# Allegro board F429_PACK_V10A.brd (continued)
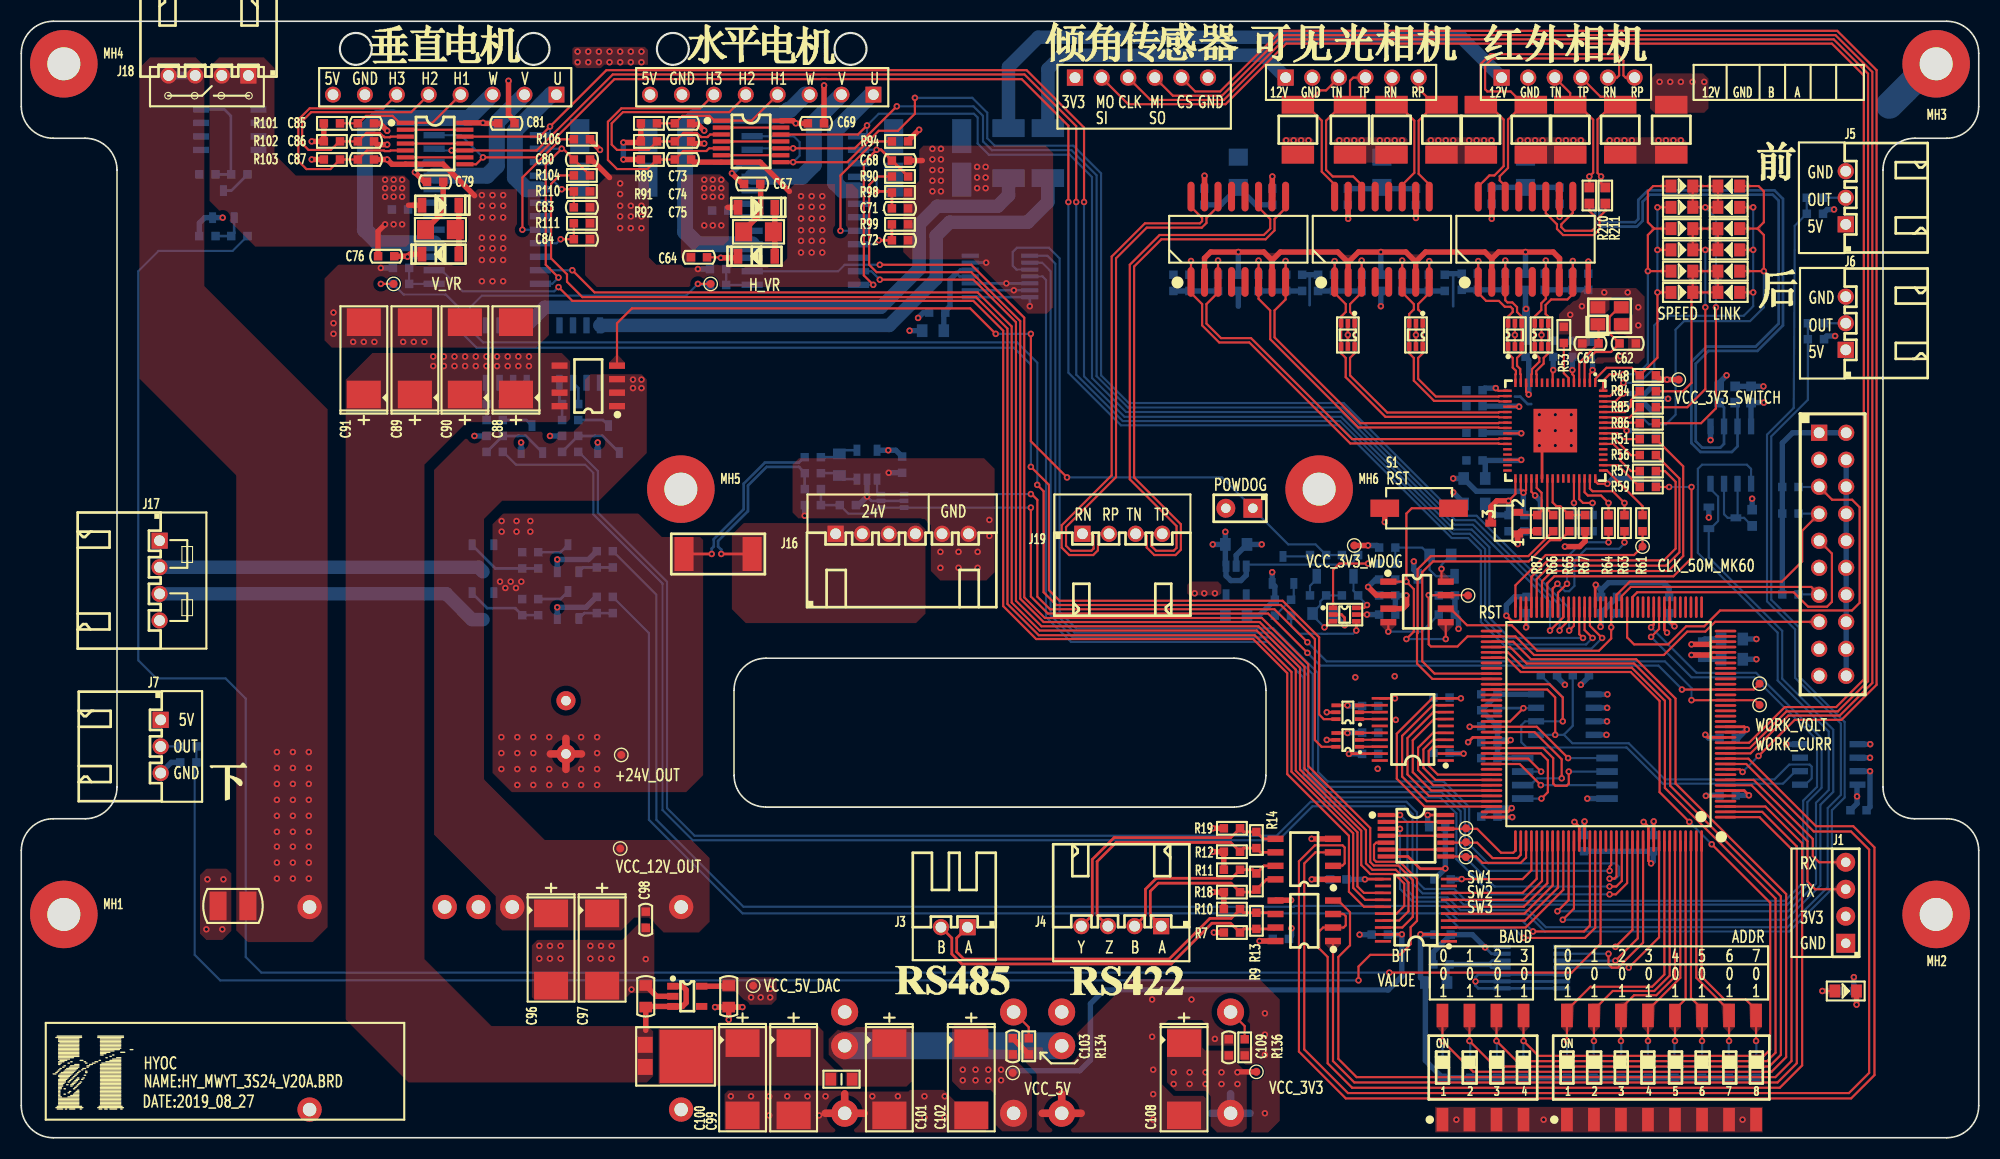
[diagram p0: board, top side]
## Routing (per net, layer and track width the routed paths; a pad name or vN(x,y) marks a point on that pad's centre or on a via; arc(x,y) is an arc through that point) (continued)
VCC_3.3V_SWITCH: length 29.3
  TOP w0.203: U15.62 149.85,69.25 v1(150.6,70) ; v1(139.8,59.9) 140.45,60.55 U15.33 ; U15.48 147.95,61.75 148.2,61.5 v1(149.1,61.5)
  TOP w0.508: v1(139.8,59.9) 138.7,59.9 138.13,59.33 U47.3 ; v1(145.1,55.6) 146.49,55.6 147,56.11 R67.2 ; TP16.1 v1(154.7,71.3) 154.06,71.3 R48.1
  BOTTOM w0.508: v1(150.6,70) 151.64,70 C49.2 ; C47.2 149.6,62 v1(149.1,61.5) ; L7.2 137.62,59.58 138.64,58.56 C48.2 v1(139.8,59.9) ; C49.2 153.64,68 R49.2 ; C49.2 152.16,69.5 R54.2 153.96,71.3 v1(154.7,71.3)
VCC_3.3V_WDOG: length 6.1
  TOP w0.254: U13.5 v1(126.5,49.2)
  TOP w0.508: TP14.1 v1(126.6,55.7)
  BOTTOM w0.508: D1.2 131.27,53.03 130.9,53.4 v1(130.9,54.2) ; v1(126.6,55.7) 127.44,55.7 R27.1 ; C26.1 v1(126.5,49.2)
  vias: v1(110.3,51.2) v1(111.2,51.2) v1(112.2,51.2)
VCC_5V: length 96.1
  TOP w0.254: U3.19 124.83,36.12 v1(124.8,36.1) ; U1.19 v1(129.78,19.12)
  TOP w0.508: R94.1 83.36,93.76 v1(84.4,94.8) ; R89.1 R91.1 58.14,93.6 v1(56.6,93.6) ; v1(54.4,92.9) 53.46,93.84 R106.1 ; R103.1 v1(27.3,92) ; v1(27.3,93.7) R102.1 R101.1 ; R92.1 v1(56.6,92)
  L03-VCC w0.711: 59.1,96.79 J14.8 ; J14.8 57.79,98.1 ; J14.8 60.41,98.1 ; J14.8 59.1,99.41 ; J5.1 172.82,85.9 ; J5.1 170.18,85.9 ; J5.1 171.5,84.58 ; J7.1 14.42,39.3 ; J7.1 11.78,39.3 ; J7.1 13.1,40.62 ; 170.18,74.1 J6.1 ; J6.1 172.82,74.1 ; J6.1 171.5,72.78 ; U26.5 95.1,2.3 ; U26.5 91.45,2.3 ; U26.5 93.28,4.13 ; 29.3,96.79 J15.8 ; J15.8 27.99,98.1 ; J15.8 30.61,98.1 ; J15.8 29.3,99.41
  BOTTOM w0.508: 93,6.3 99.5,6.3 100.5,7.3 100.5,12.6 101.8,13.9 128.5,13.9 129.78,15.18 v1(129.78,19.12) 129.75,19.1 C4.2 ; v1(56.6,92) v1(56.6,93.6) ; C2.2 v1(124.8,36.1)
  vias: v1(88.5,6.4) v1(88.5,5.4) v1(89.7,6.4) v1(89.7,5.4) v1(90.9,6.4) v1(90.9,5.4) v1(92.1,6.4) v1(92.1,5.4)
VCC_5V_DAC: length 7.4
  TOP w0.254: U5.4 v1(124.67,40.66) ; U4.4 v1(124.67,38.06)
  TOP w0.508: 66.41,14.25 U28.5
  BOTTOM w0.508: v1(124.67,38.06) 124.7,38.1 C6.2 ; C5.2 124.73,40.6 v1(124.67,40.66)
  vias: v1(68.6,13.2) v1(69.5,13.2) v1(70.4,14) v1(70.4,13.2)
VCC_12V_FARIR: length 54.8
  BOTTOM w1.27: J12.1 135.35,103.5 95.6,103.5 92.8,100.7 F2.2
VCC_12V_IN: length 19.5
  BOTTOM w0.203: R25.1 125.66,54.66 124.9,53.9 115.3,53.9 U27.3
  BOTTOM w0.508: C104.1 v1(113.18,56.98) ; C104.1 113.18,53.82 U27.1 113.25,52.85 113.7,52.4 114.64,52.4 115.15,52.91 U27.3 ; C104.1 v1(112,55.8)
  vias: v1(57.5,71.3) v1(57.5,70.5) v1(58.3,71.3) v1(58.3,70.5)
VCC_12V_OUT: length 13.1
  TOP w0.508: 58.7,10.1 C106.1 58.77,12.35 U28.3 62.15,12.35 62.5,12.7 62.5,13.9 62.15,14.25 U28.1
  BOTTOM w0.254: Q3.3 52.36,70.5 R112.2 ; Q4.3 45.26,70.7 R113.2
  vias: v1(38.72,73.47) v1(38.72,72.57) v1(39.72,73.47) v1(39.72,72.57) v1(40.72,73.47) v1(40.72,72.57) v1(41.72,73.47) v1(41.72,72.57) v1(42.72,73.47) v1(42.72,72.57) v1(43.72,73.47) v1(43.72,72.57) v1(44.72,73.47) v1(44.72,72.57) v1(45.72,73.47) v1(45.72,72.57) v1(46.72,73.47) v1(46.72,72.57) v1(47.72,73.47) v1(47.72,72.57)
VCC_12V_PHOTO: length 29.3
  BOTTOM w1.27: F1.2 96.5,100.5 97.8,101.8 116.75,101.8 J13.1
VCC_24V: length 18.5
  TOP w0.254: R118.2 v1(65.8,54.9)
  BOTTOM w0.254: R119.2 R114.2 73.64,62.56 73.11,63.09 70.07,63.09 68.31,61.33 68.31,58.93 65.5,56.13 65.5,55.6 65.8,55.3 v1(65.8,54.9)
VCC_24V_MOTOR: length 5.5
  TOP w0.508: 36.4,87.7 D18.1 ; v1(34.2,85.9) 33.54,85.24 C76.2 ; D16.1 66.4,87.5
  vias: v1(34.2,90.1) v1(34.2,89.3) v1(34.2,88.5) v1(35,90.1) v1(35,89.3) v1(35,88.5) v1(35,85.9) v1(35.8,90.1) v1(35.8,89.3) v1(35.8,88.5) v1(35.8,85.9) v1(64.2,90.1) v1(64.2,89.3) v1(64.2,88.5) v1(64.2,85.8) v1(65,90.1) v1(65,89.3) v1(65,88.5) v1(65,85.8) v1(65.8,90.1) v1(65.8,89.3) v1(65.8,88.5) v1(65.8,85.8)
VDDA3V3: length 7.9
  TOP w0.254: U2.32 158.95,45.65 158.7,45.4 158.95,45.15 U2.31
  TOP w0.508: 158.7,45.4 v1(157,45.4)
  BOTTOM w0.508: v1(157,45.4) 157.74,45.4 C18.1 158.14,45 L1.2
VSSA: length 8
  TOP w0.254: U2.33 158.85,46.15 158.6,46.4 158.85,46.65 U2.34
  TOP w0.508: 158.6,46.4 v1(157,46.4)
  BOTTOM w0.508: v1(157,46.4) 157.74,46.4 C18.2 158.24,46.9 L2.2
ADDR0: length 27.9
  TOP w0.203: v1(145.29,9.1) SW1.16 145.29,11.99 147.5,14.2 153.3,14.2 154.45,15.35 U2.137
  BOTTOM w0.203: v1(145.29,9.1) 145.3,9.09 R40.2
ADDR1: length 26
  TOP w0.203: v1(147.83,9.1) SW1.15 147.83,12.03 149.6,13.8 153.5,13.8 154.95,15.25 U2.138
  BOTTOM w0.203: v1(147.83,9.1) 147.8,9.07 R41.2
ADDR2: length 24.1
  TOP w0.203: U2.139 155.45,15.15 153.7,13.4 151.6,13.4 150.37,12.17 SW1.14 v1(150.37,9.1)
  BOTTOM w0.203: v1(150.37,9.1) 150.4,9.07 R36.2
ADDR3: length 22
  TOP w0.203: v1(152.91,9.1) SW1.13 152.91,12 155.95,15.04 U2.140
  BOTTOM w0.203: v1(152.91,9.1) 152.9,9.09 R37.2
ADDR4: length 21.2
  TOP w0.203: U2.141 156.45,13.05 155.45,12.05 SW1.12 v1(155.45,9.1)
  BOTTOM w0.203: v1(155.45,9.1) 155.4,9.05 R42.2
ADDR5: length 21.2
  TOP w0.203: v1(157.99,9.1) SW1.11 157.99,12.11 156.95,13.15 U2.142
  BOTTOM w0.203: R43.2 158,9.09 v1(157.99,9.1)
ADDR6: length 22
  TOP w0.203: v1(160.53,9.1) SW1.10 160.53,11.97 157.45,15.05 U2.143
  BOTTOM w0.203: v1(160.53,9.1) 160.5,9.07 R44.2
ADDR7: length 24
  TOP w0.203: v1(163.07,9.1) SW1.9 163.07,12.03 162.1,13 160.1,13 157.95,15.15 U2.144
  BOTTOM w0.203: R45.2 163.1,9.07 v1(163.07,9.1)
ANGE_CLK: length 147.2
  TOP w0.203: J9.3 106.15,97.6 113.04,97.6 118.73,103.3 170.37,103.3 173.6,100.07 173.6,42.93 170.77,40.1 165.93,40.1 162.48,36.65 U2.14
ANGE_CSN: length 145.3
  TOP w0.203: v1(161.8,34.4) 161.55,34.65 U2.10 ; J9.5 110.35,98.4 112.7,98.4 118.4,104.1 170.7,104.1 174.4,100.4 174.4,42.6 171.1,39.3 166.7,39.3 v1(163.3,35.9)
  BOTTOM w0.203: v1(163.3,35.9) v1(161.8,34.4)
ANGE_MISO: length 145.9
  TOP w0.203: J9.4 108.25,98 112.87,98 118.57,103.7 170.53,103.7 174,100.23 174,42.77 170.93,39.7 166.1,39.7 162.55,36.15 U2.13
ANGE_MOSI: length 148.5
  TOP w0.203: J9.2 104.05,97.2 113.2,97.2 118.9,102.9 170.2,102.9 173.2,99.9 173.2,43.1 170.6,40.5 165.77,40.5 162.42,37.15 U2.15
BAUD0: length 96
  TOP w0.203: SW2.8 v1(133.59,9.1) 136.49,6.2 164.51,6.2 165.9,7.59 165.9,22.91 155.5,33.31 155.5,41.3 151.8,45 141.9,45 140.25,46.65 U2.75
  BOTTOM w0.203: v1(133.59,9.1) 133.6,9.09 R38.2
BAUD1: length 91.6
  TOP w0.203: U2.76 139.95,46.15 141.5,44.6 151.6,44.6 155,41.2 155,33.11 165.4,22.71 165.4,7.79 164.31,6.7 138.53,6.7 v1(136.13,9.1) SW2.7
  BOTTOM w0.203: R39.2 136.2,9.03 v1(136.13,9.1)
BAUD2: length 87.3
  TOP w0.203: SW2.6 v1(138.67,9.1) 140.57,7.2 164.1,7.2 164.9,8 164.9,22.5 154.5,32.9 154.5,41.1 151.4,44.2 141.2,44.2 139.75,45.65 U2.77
  BOTTOM w0.203: v1(138.67,9.1) 138.7,9.07 R46.2
BAUD3: length 82.9
  TOP w0.203: v1(158.9,27.6) 164.4,22.1 164.4,8.3 163.8,7.7 142.61,7.7 v1(141.21,9.1) SW2.5 ; v1(156.8,29.7) 154,32.5 154,41.08 151.28,43.8 140.95,43.8 139.6,45.15 U2.78
  BOTTOM w0.203: v1(141.21,9.1) 141.2,9.09 R47.2 ; v1(156.8,29.7) v1(158.9,27.6)
C0_LED: length 43.1
  TOP w0.203: D13.1 v1(163.8,81.5) 163.8,84.9 163.2,85.5 ; U15.61 150.35,68.75 v1(150.6,69) ; 163.2,85.5 163.8,86.1 163.8,89 163.3,89.5 D9.1 ; 163.2,85.5 D11.1
  BOTTOM w0.203: v1(163.8,81.5) 163.8,78.1 162.5,76.8 156.3,76.8 155.5,76 155.5,68 154.6,67.1 153,67.1 152.14,67.96 R49.1 151.14,69 v1(150.6,69)
C1_LED: length 33.1
  TOP w0.203: D10.1 v1(162.8,87.5) ; v1(150.6,71) 149.35,69.75 U15.63 ; v1(162.8,83.5) D12.1 ; D14.1 v1(162.8,79.5)
  BOTTOM w0.203: v1(150.6,71) R54.1 152.14,71.04 153.5,72.4 153.5,76.4 154.4,77.3 161.9,77.3 162.8,78.2 v1(162.8,79.5) v1(162.8,83.5) v1(162.8,87.5)
C2_LED: length 28.7
  TOP w0.203: 153.5,85.5 152.9,84.9 v1(152.9,81.5) D7.1 ; 153.5,85.5 152.9,86.1 152.9,89 153.4,89.5 D3.1 ; 153.5,85.5 D5.1 ; U15.64 148.7,71.2 149.3,71.8 v1(150.6,71.8)
  BOTTOM w0.203: v1(152.9,81.5) 152.9,72.8 151.9,71.8 v1(150.6,71.8)
C3_LED: length 25.6
  TOP w0.203: v1(153.8,83.5) D6.1 ; U15.1 147.95,71.35 149.01,72.41 151.39,72.41 152.1,71.7 R48.2 153.8,73.36 v1(153.8,79.5) D8.1 ; D4.1 v1(153.8,87.5)
  BOTTOM w0.203: v1(153.8,79.5) v1(153.8,83.5) v1(153.8,87.5)
CAMERA_A: length 57.7
  BOTTOM w0.254: R206.1 160.06,68.68 U45.6 160.06,65.26 159.7,64.9 158,64.9 157.4,65.5 157.4,72.8 158.6,74 163.2,74 165.6,76.4 165.6,88.3 164.8,89.1 152.9,89.1 152,88.2 152,86.4 151.7,86.1 148.6,86.1 148.35,86.35 148.35,87.3 R209.1
CAMERA_B: length 59.9
  BOTTOM w0.254: R204.2 161.33,68.91 U45.7 161.33,65.03 160.79,64.49 157.83,64.49 156.99,65.33 156.99,72.97 158.43,74.41 163.03,74.41 165.19,76.57 165.19,88.13 164.63,88.69 153.07,88.69 152.41,88.03 152.41,86.23 151.87,85.69 148.43,85.69 147.94,86.19 147.94,87.31 R208.1
CLK_50M: length 16.9
  TOP w0.203: U2.72 140.45,51.95 143.3,54.8 151.6,54.8 TP5.1 R61.2
CTL_HEATER_1: length 127.3
  TOP w0.203: v1(142.1,19.4) 146.9,19.4 147.45,19.95 U2.123
  BOTTOM w0.203: v1(142.1,19.4) 141.1,20.4 135.1,20.4 133.7,21.8 119.69,21.8 119.61,21.73 67.87,21.73 59.7,29.9 59.7,51.06 R129.2
CTL_HEATER_2: length 124.5
  TOP w0.203: v1(141.2,18.8) 141.84,18.8 141.85,18.79 146.99,18.79 147.95,19.75 U2.124
  BOTTOM w0.203: v1(141.2,18.8) 140.3,19.7 135.2,19.7 133.8,21.1 67.8,21.1 59,29.9 59,47.46 R130.2
CTL_RELAY: length 222.9
  TOP w0.203: v1(128.6,15.53) 145.73,15.53 148.45,18.25 U2.125
  BOTTOM w0.203: R141.1 19.86,83.4 12.9,83.4 11,81.5 11,44.9 12.7,43.2 19.2,43.2 21.1,41.3 21.1,17 22.57,15.53 v1(128.6,15.53)
DAC_H_DIN: length 12.8
  TOP w0.203: 133.9,38.08 132.7,38.08 131.3,36.67 131.3,34.59 132.74,33.15 U2.102
DAC_H_SCLK: length 11.1
  TOP w0.203: U2.101 132.94,33.65 131.8,34.79 131.8,36.52 132.7,37.42 U3.4
DAC_H_SYNC: length 9.4
  TOP w0.203: U2.100 133.15,34.15 132.3,35 132.3,36.38 132.7,36.77 U3.3
DAC_MOTOR_OE: length 22.7
  TOP w0.203: U2.106 131.91,31.15 129.3,33.76 129.3,38 132.62,41.33 U3.10
  TOP w0.254: v1(135.32,41.33) U3.10
  BOTTOM w0.203: v1(135.32,41.33) 134.34,41.33 R2.1
DAC_V_DIN: length 18.5
  TOP w0.203: U3.9 132.68,40.67 129.8,37.79 129.8,33.96 132.11,31.65 U2.105
DAC_V_SCLK: length 16.8
  TOP w0.203: U2.104 132.32,32.15 130.3,34.17 130.3,37.59 132.74,40.02 U3.8
DAC_V_SYNC: length 15
  TOP w0.203: U3.7 132.8,39.38 130.8,37.38 130.8,34.38 132.53,32.65 U2.103
E6071_AVDD_1.8V: length 26.1
  TOP w0.203: v1(145.8,72.2) 145.8,71.8 145.95,71.65 U15.5 ; U15.14 141.45,70.15 v1(141.7,69.9) ; v1(144,72.2) 143.95,72.15 U15.9 ; U15.20 v1(140.8,68.75) ; U15.25 v1(141,66.25) ; U15.30 v1(141,63.75)
  BOTTOM w0.508: v1(141,66.25) 140.95,66.3 C56.2 ; v1(141.7,69.9) 141.7,73.14 C55.2 ; v1(141,63.75) 140.95,63.7 C57.2 137.62,63.45 L3.2 ; v1(140.8,68.75) 140.75,68.8 C59.2 ; C60.2 v1(144,72.2) ; v1(145.8,72.2) C58.2
E6071_CT_1.8V: length 67.5
  TOP w0.203: U15.34 140.95,60.91 v1(141.2,60.66) 141.45,60.91 U15.35
  TOP w0.508: 138.22,82.66 137.58,83.3 132,83.3 131.07,82.38 ; 138.22,82.66 T1.2 ; 138.22,82.66 138.87,83.3 v1(141.4,83.3) 144,83.3 144.6,82.7 144.6,80.51 T1.7 ; 111.22,80.49 111.22,82.72 111.8,83.3 v1(114.4,83.3) 116.8,83.3 117.58,82.53 ; 124.72,82.33 125.7,83.3 v1(127.8,83.3) 130.15,83.3 131.07,82.38 ; 124.72,82.33 123.75,83.3 118.35,83.3 117.58,82.53 ; 124.72,82.33 124.72,80.49 ; T2.7 131.07,82.38 ; 117.58,82.53 T3.7
  BOTTOM w0.508: C34.2 v1(141.4,83.3) ; v1(134.6,62) L3.1 136.78,60.8 141.06,60.8 v1(141.2,60.66) 141.2,58.66 C54.2 ; C44.2 v1(114.4,83.3) ; C40.2 v1(127.8,83.3)
E6071_VDD_CORE_1.2V: length 12.5
  TOP w0.203: U15.17 138.85,70.25 v1(138.6,70.5) ; v1(150.9,66.5) 150.65,66.75 U15.57 ; v1(142.3,60.4) 141.95,60.75 U15.36 ; v1(147.7,72.2) 147.7,72.1 147.45,71.85 U15.2
  BOTTOM w0.508: v1(142.3,60.4) 142.8,59.9 C53.2 ; C51.2 137.56,70.5 v1(138.6,70.5) ; v1(147.7,72.2) 147.7,73.14 C50.2 ; v1(150.9,66.5) 151.84,66.5 C52.2
FARIR_RXN: length 32.4
  TOP w0.203: T1.14 139.5,89.5 138.97,90.03 138.97,90.43 139.75,91.2 139.75,95.75 141.15,97.15 141.25,97.15 ; J12.5 149.99,99.7 150.2,99.9 150.2,101.13 149.83,101.5 138.27,101.5 137.6,100.83 137.6,98.6 137.8,98.4 140,98.4 141.25,97.15 ; 141.25,97.15 GDT1.1
FARIR_RXP: length 31.6
  TOP w0.203: T1.16 136.96,89.45 138,90.5 138.47,90.5 139.35,91.37 139.35,95.75 137.95,97.15 GDT2.1 137.19,97.16 137.19,100.99 138.11,101.91 149.99,101.91 150.6,101.3 150.6,99.9 150.81,99.7 J12.6
FARIR_TXN: length 13.4
  TOP w0.203: J12.3 145.6,98.25 GDT4.2 146.35,97.15 147.76,95.74 147.76,90.76 v1(147.4,90.4) R210.2
  BOTTOM w0.254: R210.2 v1(147.4,90.4)
FARIR_TXP: length 14.5
  TOP w0.203: 149.55,97.15 148.17,95.77 148.17,90.73 v1(148.5,90.4) 148.5,89.78 R211.2 ; 149.55,97.15 GDT3.2 ; 149.55,97.15 148.8,97.9 148.45,97.9 J12.4
  BOTTOM w0.254: v1(148.5,90.4) 148.5,89.78 R211.2
FARIRPOW_CON: length 198.9
  TOP w0.203: U2.46 153.45,48.25 v1(153.2,48)
  BOTTOM w0.203: v1(153.2,48) 157.48,43.72 163.08,43.72 169.22,37.58 169.22,32.9 167.9,31.58 167.9,23.8 166.03,21.93 135.57,21.93 134.52,22.98 131.72,22.98 130.78,23.92 130.78,30.42 130.02,31.18 121.38,31.18 118.18,27.98 63.12,27.98 60.28,30.82 60.28,52.12 53.78,58.62 53.78,62.52 53,63.3 46.5,63.3 45.3,64.5 R121.2
H_BRK: length 115.9
  TOP w0.203: v1(80.7,82.1) 89.3,82.1 94.28,77.12 94.28,50.82 96.22,48.88 116.62,48.88 120.98,44.52 120.98,34.95 126.8,29.13 126.8,25.93 127.13,25.6 129.43,25.6 130.8,24.23 130.8,20.76 129.81,19.77 U1.18
  BOTTOM w0.203: U19.14 76.78,81.48 77.4,82.1 v1(80.7,82.1)
H_DIAG: length 20.7
  TOP w0.203: v1(80.4,92.92) 79.2,91.72 79.2,81.1 v1(80.08,80.22)
  TOP w0.254: R90.2 81.86,91.9 C68.1 80.82,92.92 v1(80.4,92.92)
  BOTTOM w0.203: U19.2 v1(80.4,92.92) ; U19.12 v1(80.08,80.22)
H_EN: length 112.9
  TOP w0.203: U1.17 129.53,20.43 130.4,21.3 130.4,24 129.2,25.2 127,25.2 126.4,25.8 126.4,28.93 120.62,34.71 120.62,44.28 116.4,48.5 96.1,48.5 93.9,50.7 93.9,76.8 89.3,81.4 80.4,81.4 79.7,82.1 79.7,89.6 80.5,90.4 R90.1
H_ENCODER_CLK: length 19.3
  TOP w0.203: v1(149.2,17.3) 149.2,16.3 149.5,16 150.1,16 152.45,18.35 U2.133
  BOTTOM w0.203: U54.2 v1(149.2,17.3)
H_ENCODER_CSN: length 15.7
  TOP w0.203: v1(149.85,17.95) 151.45,19.55 U2.131
  BOTTOM w0.203: U54.1 v1(149.85,17.95)
H_ENCODER_MISO: length 17.2
  TOP w0.203: U2.132 151.95,18.75 v1(149.85,16.65)
  BOTTOM w0.203: U54.3 v1(149.85,16.65)
H_ENCODER_MOSI: length 19.4
  TOP w0.203: U2.136 153.95,18.85 v1(151.1,16)
  BOTTOM w0.203: U54.4 v1(151.1,16)
H_F/R: length 102.4
  TOP w0.203: v1(80.7,80.7) 89.5,80.7 93.5,76.7 93.5,50.5 95.9,48.1 116.3,48.1 120.2,44.2 120.2,34.63 125.96,28.88 125.96,25.64 126.8,24.8 129.1,24.8 130,23.9 130,21.8 129.28,21.07 U1.16
  BOTTOM w0.203: v1(80.7,80.7) 79.92,81.48 U19.11
H_H1: length 111.7
  TOP w0.203: v1(143.7,47.7) 144.95,48.95 U2.63 ; U20.12 78.65,94.35 v1(79.5,95.2)
  BOTTOM w0.203: U19.1 79.3,94.19 79.5,94.39 v1(79.5,95.2) 80.6,96.3 89.55,96.3 89.9,95.95 89.9,93.5 90.95,92.45 98.55,92.45 100.65,90.35 100.65,71.45 103.85,68.25 124.12,68.25 134.72,57.65 136.45,57.65 143.7,50.4 v1(143.7,47.7)
H_H2: length 115.6
  TOP w0.203: U20.10 v1(72.55,93.05) 78.35,93.05 v1(82.3,97) ; v1(144.6,47.7) 144.6,47.8 145.45,48.65 U2.62
  BOTTOM w0.203: v1(144.6,47.7) 144.6,50.1 136.62,58.08 134.8,58.08 124.2,68.68 104.02,68.68 101.08,71.62 101.08,90.52 98.72,92.88 91.22,92.88 90.4,93.7 90.4,96.1 89.5,97 v1(82.3,97) ; v1(72.55,93.05) 68.83,93.05 U19.23
H_H3: length 121.2
  TOP w0.203: v1(84,97.8) 84,96.3 82.4,94.7 80.6,94.7 77.65,91.75 v1(72.55,91.75) U20.8 ; U2.61 145.95,48.15 v1(145.5,47.7)
  BOTTOM w0.203: v1(72.55,91.75) 73.16,92.36 73.16,93.64 72.61,94.19 U19.24 ; v1(84,97.8) 89.4,97.8 90.8,96.4 90.8,94 91.5,93.3 98.9,93.3 101.5,90.7 101.5,71.7 104.1,69.1 124.3,69.1 134.9,58.5 136.8,58.5 145.5,49.8 v1(145.5,47.7)
H_MOTOR_U: length 12.4
  BOTTOM w1.5: J14.1 79.9,98.1 76.5,94.7 76.5,89.8 77.19,89.11 U19.5
H_MOTOR_V: length 13.9
  BOTTOM w1.5: U19.21 73.38,90.38 74.5,91.5 74.5,95.5 J14.2
H_MOTOR_W: length 29.6
  BOTTOM w1.5: J14.3 73.7,98.1 72.26,96.66 72.08,96.66 71.54,96.12 63.68,96.12 63.56,96 63.3,96 62.4,95.1 62.4,85.2 63.58,84.03 U19.16
H_VR: length 142.3
  TOP w0.203: TP1.1 v1(63.6,80.3) ; v1(95.5,61.4) 96.1,60.8 96.1,51.3 97.3,50.1 118.4,50.1 121.6,46.9 121.6,37.4 122.23,36.77 U4.6
  BOTTOM w0.203: R96.1 63.7,80.2 v1(63.6,80.3) 62.5,79.2 43.3,79.2 42.2,78.1 42.2,76 43.4,74.8 93.6,74.8 95.51,72.89 95.51,61.41 v1(95.5,61.4)
HEATER_1: length 30.6
  BOTTOM w1.27: J17.2 42.98,53.65 Q7.3
HEATER_2: length 31.4
  BOTTOM w1.27: J17.3 39.95,51.15 42.37,48.73 Q8.3
HORI_H1: length 12.8
  TOP w0.203: R89.2 C73.1 62.14,96.1 64.7,96.1 65.15,95.65 U20.1 68.65,95.65 J14.4
HORI_H2: length 27.2
  TOP w0.203: U20.3 64.75,94.35 64.54,94.14 64.5,94.14 64.47,94.11 63.93,94.11 63.9,94.14 63.86,94.14 63.5,94.5 62.24,94.5 C74.1 R91.2 58.96,92.9 56,92.9 55.5,93.4 55.5,95.4 56.56,96.46 66.56,96.46 68.1,98 J14.5
HORI_H3: length 26.4
  TOP w0.203: J14.6 63.81,96.81 56.41,96.81 55.14,95.55 55.14,91.96 56,91.1 58.86,91.1 R92.2 C75.1 62.24,92.8 64.4,92.8 64.65,93.05 U20.5
I2C0_PROT: length 7.3
  TOP w0.203: v1(141.2,40.4) 139.95,39.15 U2.90
  BOTTOM w0.203: v1(141.2,40.4) 142.37,40.4 U10.7
  BOTTOM w0.254: R20.1 138.96,40.4 v1(141.2,40.4)
I2C0_SCLK: length 48.6
  TOP w0.203: U2.83 143.65,42.65 144.9,41.4 v1(144.9,39.16)
  BOTTOM w0.203: U11.2 166.77,34.47 165.6,33.3 154.3,33.3 150.9,36.7 141.5,36.7 141,37.2 141,38.8 141.36,39.16 U10.6 v1(144.9,39.16) 144.9,41.44 R17.1
I2C0_SDATA: length 46.5
  TOP w0.203: U2.84 143.44,42.15 144.19,41.4 v1(144.19,37.89)
  BOTTOM w0.203: R16.1 145.84,38.74 144.99,37.89 ; 144.99,37.89 145.01,37.89 145.8,37.1 151.1,37.1 154.5,33.7 164.8,33.7 166.2,35.1 168.1,35.1 168.3,34.9 168.3,33.8 167.7,33.2 U11.1 ; 144.99,37.89 v1(144.19,37.89) U10.5
JTAG_TCLK: length 26.9
  TOP w0.203: J2.9 170.2,54.94 170.2,50.4 169.74,49.94 167.96,49.94 166.6,51.3 151.9,51.3 151.45,50.85 U2.50
JTAG_TDI: length 42.1
  TOP w0.203: U2.51 150.95,47.05 151.6,46.4 154.8,46.4 156.5,48.1 158.2,48.1 159.69,49.59 172.09,49.59 172.8,50.3 172.8,59.3 172.1,60 170.22,60 J2.5
  BOTTOM w0.203: J2.5 168.98,61.2 R3.2
JTAG_TDO: length 22.2
  TOP w0.203: U2.52 150.45,50.95 151.3,51.8 168.26,51.8 J2.13
  BOTTOM w0.203: R4.2 168.96,51.1 J2.13
JTAG_TMS: length 27
  TOP w0.203: J2.7 167.4,57.08 167.4,54.2 165.5,52.3 151.2,52.3 149.95,51.05 U2.53
  BOTTOM w0.203: J2.7 168.98,58.7 R5.2
MDC: length 3.7
  TOP w0.203: R66.1 143.45,59.11 U15.39
MDIO: length 5.8
  TOP w0.203: U15.40 143.95,59.75 144.3,59.4 144.66,59.4 R65.1 R67.1
MK60_H_BRK: length 16.8
  TOP w0.203: U2.118 144.95,23.31 141.41,19.77 U1.3
MK60_H_EN: length 15.9
  TOP w0.203: U2.117 144.45,23.52 141.35,20.43 U1.4
MK60_H_F/R: length 15
  TOP w0.203: U2.116 143.95,23.73 141.3,21.07 U1.5
MK60_MOTOR_OE: length 11.9
  TOP w0.203: U1.10 v1(135.4,24.32) 141.12,24.32 141.95,25.15 U2.112
  BOTTOM w0.508: v1(135.4,24.32) 135.38,24.3 R1.1
MK60_V_BRK: length 14.1
  TOP w0.203: U1.6 141.24,21.73 143.45,23.94 U2.115
MK60_V_EN: length 13.2
  TOP w0.203: U2.114 142.95,24.14 141.18,22.38 U1.7
MK60_V_F/R: length 12.3
  TOP w0.203: U2.113 142.45,24.35 141.12,23.02 U1.8
OUT1: length 2.1
  BOTTOM w0.203: R29.1 J5.2
OUT2: length 2
  BOTTOM w0.203: R32.1 J6.2
OUT3: length 1.8
  BOTTOM w0.203: J7.2 R34.1
P5_ID0: length 4.1
  TOP w0.203: R56.1 151.3,64.2 149.75,65.75 U15.55
P5_ID1: length 5
  TOP w0.203: R57.1 151.3,62.7 150.3,63.7 150.3,64.6 149.65,65.25 U15.54
P5_INDV: length 3.7
  TOP w0.203: R51.1 150.6,65.7 150.05,66.25 U15.56
P5_MODE0: length 7
  TOP w0.203: R63.1 v1(150.7,59.7) 149.6,60.8 147.7,60.8 147.45,61.05 U15.47
  BOTTOM w0.203: R63.1 v1(150.7,59.7)
P5_MODE1: length 6.2
  TOP w0.203: U15.46 146.95,60.71 147.26,60.4 148.5,60.4 v1(149.2,59.7) R64.1
  BOTTOM w0.203: R64.1 v1(149.2,59.7)
P5_MODE2: length 4.5
  TOP w0.203: v1(147.7,59.7) 146.8,59.7 146.45,60.05 U15.45
  BOTTOM w0.203: R82.1 v1(147.7,59.7)
P5_MODE3: length 3.5
  TOP w0.203: U15.44 v1(145.95,59.7)
  BOTTOM w0.203: v1(145.95,59.7) 145.95,58.81 R83.1
P5_OUTCLK: length 5.9
  TOP w0.203: R61.1 152.4,59.4 149.05,62.75 U15.49
P5_OUTDV: length 4.3
  TOP w0.203: R59.1 150.09,63.25 U15.50
PHOTO_RXN: length 13
  TOP w0.203: T2.11 129.81,89.61 130.95,90.75 130.95,95.65 129.45,97.15 GDT7.2 128.8,99.65 J13.5
PHOTO_RXP: length 13.5
  TOP w0.203: T2.9 132.34,89.66 131.35,90.65 131.35,95.65 132.85,97.15 ; 132.85,97.15 GDT8.2 ; 132.85,97.15 131.35,98.65 J13.6
PHOTO_TXN: length 14.7
  TOP w0.203: J13.3 122.65,98.5 122.1,98.5 120.75,97.15 ; 120.75,97.15 122.25,95.65 122.25,90.85 123.45,89.64 T2.16 ; 120.75,97.15 GDT6.1
PHOTO_TXP: length 16.3
  TOP w0.203: T2.14 126,89.61 125.2,90.4 123.27,90.4 122.65,91.02 122.65,95.65 124.15,97.15 GDT5.1 124.9,99.4 125.2,99.7 J13.4
PHOTOPOW_CON: length 191.2
  TOP w0.203: U2.45 153.95,47.85 v1(153.2,47.1)
  BOTTOM w0.203: v1(153.2,47.1) 157,43.3 162.9,43.3 168.8,37.4 168.8,33 167.5,31.7 167.5,24 165.78,22.28 135.82,22.28 134.7,23.4 131.9,23.4 131.2,24.1 131.2,30.6 130.2,31.6 121.2,31.6 118,28.4 63.3,28.4 60.7,31 60.7,52.3 54.2,58.8 54.2,62.7 52.4,64.5 R120.2
PHOTOSW1: length 8.5
  TOP w0.203: 135.75,29.05 136.85,29.05 139.1,26.8 140.25,26.8 140.45,27 U2.109 ; 135.75,29.05 U14.12 ; 135.75,29.05 TP8.1
PHOTOSW2: length 9.1
  TOP w0.203: 135.75,27.75 136.85,27.75 138.3,26.3 140.65,26.3 140.95,26.6 U2.110 ; 135.75,27.75 TP7.1 ; 135.75,27.75 U14.10
PHOTOSW3: length 9.6
  TOP w0.203: U2.111 141.45,26.35 140.95,25.85 137.35,25.85 136.75,26.45 135.75,26.45 ; U14.8 135.75,26.45 ; 135.75,26.45 TP6.1
R0_LED: length 3.5
  TOP w0.203: R86.1 152.09,67.25 U15.58
R1_LED: length 3.8
  TOP w0.203: U15.59 151.19,67.75 R85.1
R2_LED: length 4.6
  TOP w0.203: R84.1 151.3,69.36 151.3,68.8 150.75,68.25 U15.60
RESETN_SWITCH: length 5.7
  TOP w0.203: U47.2 140.92,58.56 R87.2 142.91,58.97 142.91,60.65 142.45,61.11 U15.37
RMII0_CRS_DV: length 26.8
  TOP w0.203: R59.2 v1(154.9,61.2) ; U2.66 143.45,52.15 144.1,52.8 155.3,52.8 157,54.5 v1(157,61.2)
  BOTTOM w0.203: v1(154.9,61.2) v1(157,61.2)
RMII0_MDC: length 30.7
  TOP w0.203: U2.82 132.64,43.15 131.2,44.59 131.2,47.4 131.26,47.45 131.26,53.46 132.49,54.7 141.66,54.7 R66.2
RMII0_MDIO: length 30.8
  TOP w0.203: R65.2 144.66,56.2 143.7,56.2 141.7,54.2 132.7,54.2 131.69,53.19 131.69,44.81 132.85,43.65 U2.81
RMII0_RXD0: length 13.4
  TOP w0.203: U2.65 143.95,51.65 v1(144.4,52.1) ; R63.2 v1(150.7,56)
  BOTTOM w0.203: v1(150.7,56) 150.7,55.9 150.19,55.39 147.09,55.39 146,54.3 146,51.9 145.5,51.4 145.1,51.4 v1(144.4,52.1)
RMII0_RXD1: length 10.6
  TOP w0.203: R64.2 v1(149.2,56) ; v1(145.3,52.1) 144.45,51.25 U2.64
  BOTTOM w0.203: v1(145.3,52.1) 145.3,54.6 146.7,56 v1(149.2,56)
RMII0_TXD0: length 27.2
  TOP w0.203: R56.2 155.87,62 155.87,55.06 154.61,53.8 143.71,53.8 142.45,52.54 U2.68
RMII0_TXD1: length 26.1
  TOP w0.203: R57.2 154.5,62.7 155.51,61.69 155.51,55.41 154.4,54.3 143.5,54.3 141.95,52.75 U2.69
RMII0_TXEN: length 28.7
  TOP w0.203: R51.2 156.22,63.14 156.22,54.71 154.81,53.3 143.91,53.3 142.95,52.34 U2.67
RS422_A: length 16.6
  TOP w0.254: U9.8 117.06,24.3 R13.2 115.86,23.1 R18.1 113.72,23.94 106.89,23.94 106.13,23.18 106.13,20.92 J4.1
RS422_B: length 17.3
  TOP w0.254: U9.7 116.81,25.57 R13.1 115.76,25.2 R11.2 113.76,24.4 106.7,24.4 105.67,23.37 105.67,20.92 J4.2
RS422_Y: length 25.5
  TOP w0.254: J4.4 100.67,20.92 100.67,26.17 102.73,28.23 113.69,28.23 R19.1 114.9,28.76 R14.2 116.75,28.11 U9.5
RS422_Z: length 24.7
  TOP w0.254: U9.6 116.5,26.84 R14.1 114.9,27.24 R12.2 113.69,27.77 102.92,27.77 101.13,25.98 101.13,20.92 J4.3
RS485_A: length 35.2
  TOP w0.254: U8.6 117.78,21.16 R9.2 114.9,21.16 R10.1 114.56,21.46 113.73,20.63 111.73,20.63 107.9,16.8 88.6,16.8 87.93,17.47 87.93,18.78 J3.1
RS485_B: length 35.9
  TOP w0.254: J3.2 87.47,18.78 87.47,17.28 88.41,16.34 108.09,16.34 111.92,20.17 113.69,20.17 R7.2 114.9,19.64 R9.1 117.77,19.64 U8.7
RST1: length 3.2
  TOP w0.203: v1(133.5,53.5) 133.5,52.5 133.7,52.3 U12.8
  BOTTOM w0.203: C25.1 133.5,53.88 v1(133.5,53.5)
RXN1: length 14
  TOP w0.203: U15.15 140.95,71.78 140.9,71.83 140.9,72.3 140.6,72.6 140.6,73.34 141.03,73.77 U56.3 U56.4 141.03,77.23 140.6,77.66 140.6,78.11 140.16,78.56 139.7,78.56 139.5,78.76 T1.3 v1(139.5,82.5)
  BOTTOM w0.203: R52.2 139.5,81.27 v1(139.5,82.5)
RXN2: length 23.1
  TOP w0.203: v1(129.81,82.5) T2.6 129.81,79.5 130.9,78.4 130.9,77.9 130.47,77.47 U17.3 U17.4 130.47,73.77 130.9,73.34 130.9,71.2 132.8,69.3 138.87,69.3 138.91,69.25 U15.19
  BOTTOM w0.203: R71.2 129.81,81.17 v1(129.81,82.5)
RXN3: length 40.5
  TOP w0.203: v1(112.5,82.5) T3.3 112.5,79.49 111.41,78.4 111.41,76.57 112.77,75.2 115.6,75.2 125.1,65.7 138.87,65.7 138.91,65.75 U15.26
  BOTTOM w0.203: R76.2 112.5,81.17 v1(112.5,82.5)
RXP1: length 15.5
  TOP w0.203: U15.16 140.45,71.78 140.5,71.83 140.5,72.13 140.2,72.43 140.2,73.34 139.76,73.77 139.76,77.23 140.2,77.66 140.2,77.95 139.99,78.15 139.45,78.15 138.9,78.7 137.7,78.7 136.96,79.44 T1.1 v1(136.96,82.44)
  BOTTOM w0.203: R50.2 136.96,81.32 v1(136.96,82.44)
RXP2: length 22.3
  TOP w0.203: U15.18 138.91,69.75 138.87,69.7 132.97,69.7 131.3,71.37 131.3,73.34 131.74,73.77 131.74,77.47 131.31,77.89 131.31,78.41 132.34,79.44 T2.8 v1(132.34,82.44)
  BOTTOM w0.203: v1(132.34,82.44) 132.34,81.21 R75.2
RXP3: length 41.2
  TOP w0.203: U15.27 138.91,65.25 138.87,65.3 124.93,65.3 115.43,74.79 112.61,74.79 111,76.4 111,78.4 109.95,79.44 T3.1 v1(109.95,82.45)
  BOTTOM w0.203: R72.2 109.95,81.32 v1(109.95,82.45)
SYS_RESET#: length 48.5